# Altium PCB FMC_SDR.PcbDoc (part 1 of 4) (continued)
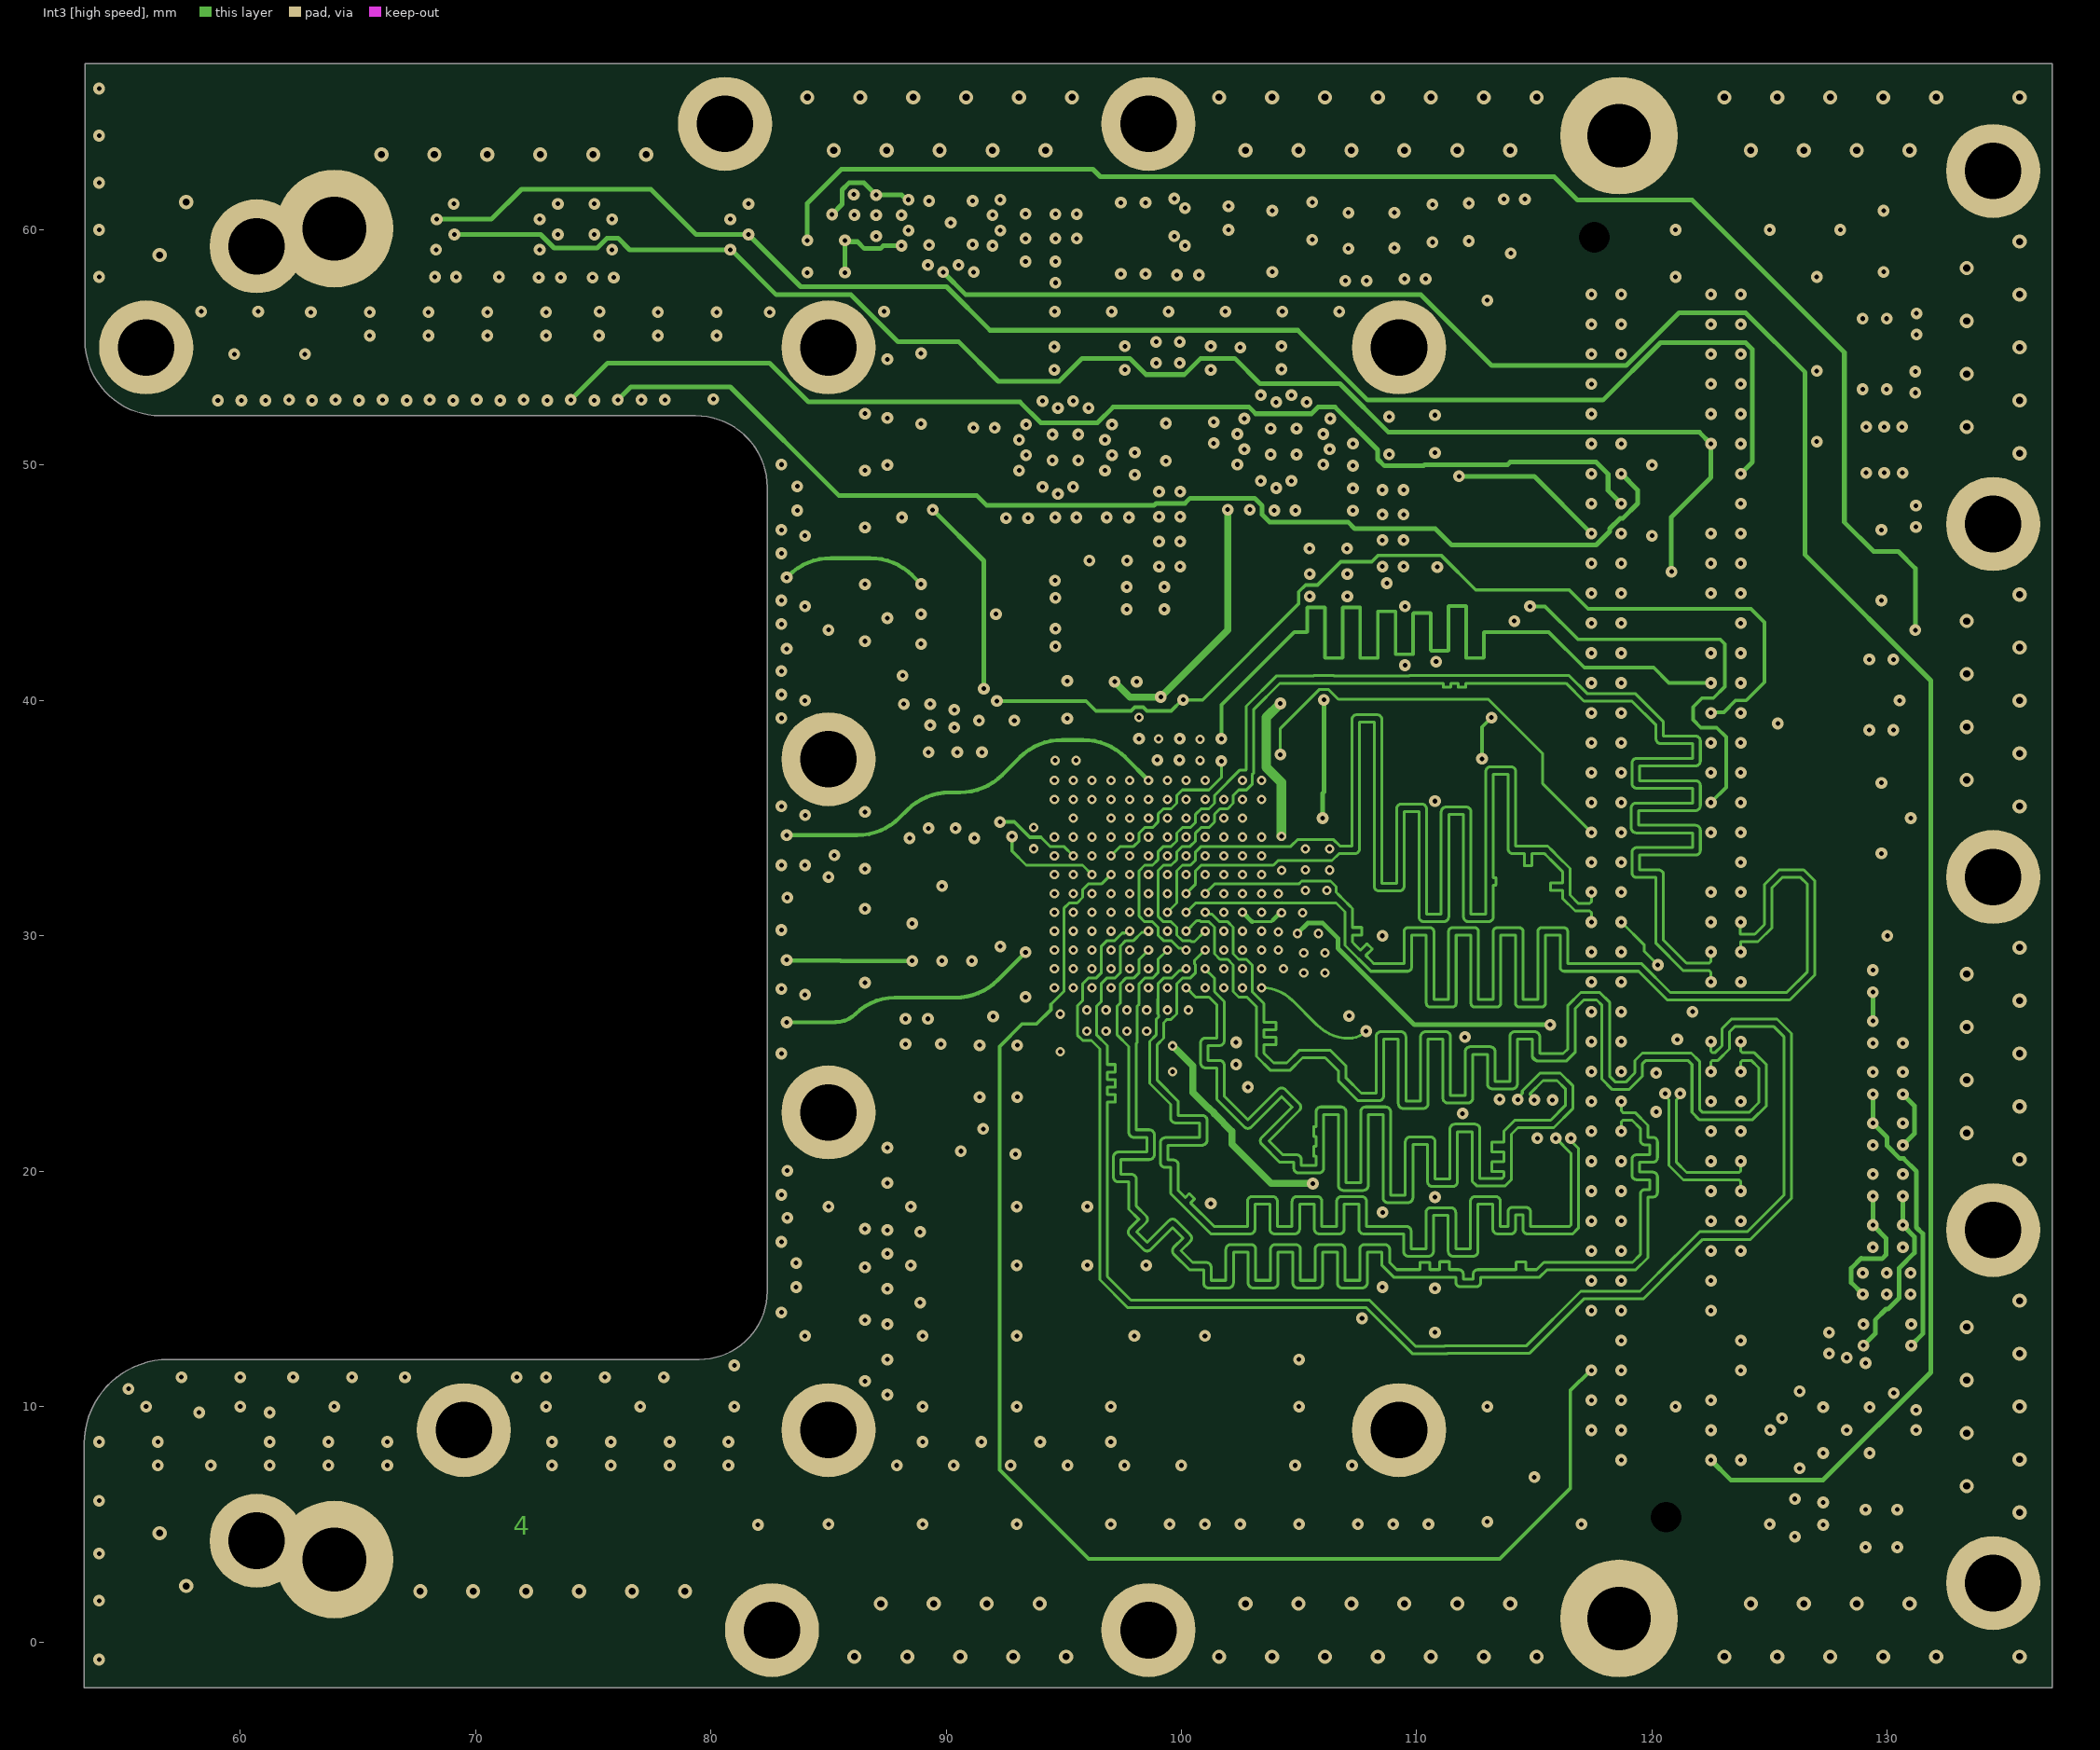
[diagram p4: Int3 [high speed]]
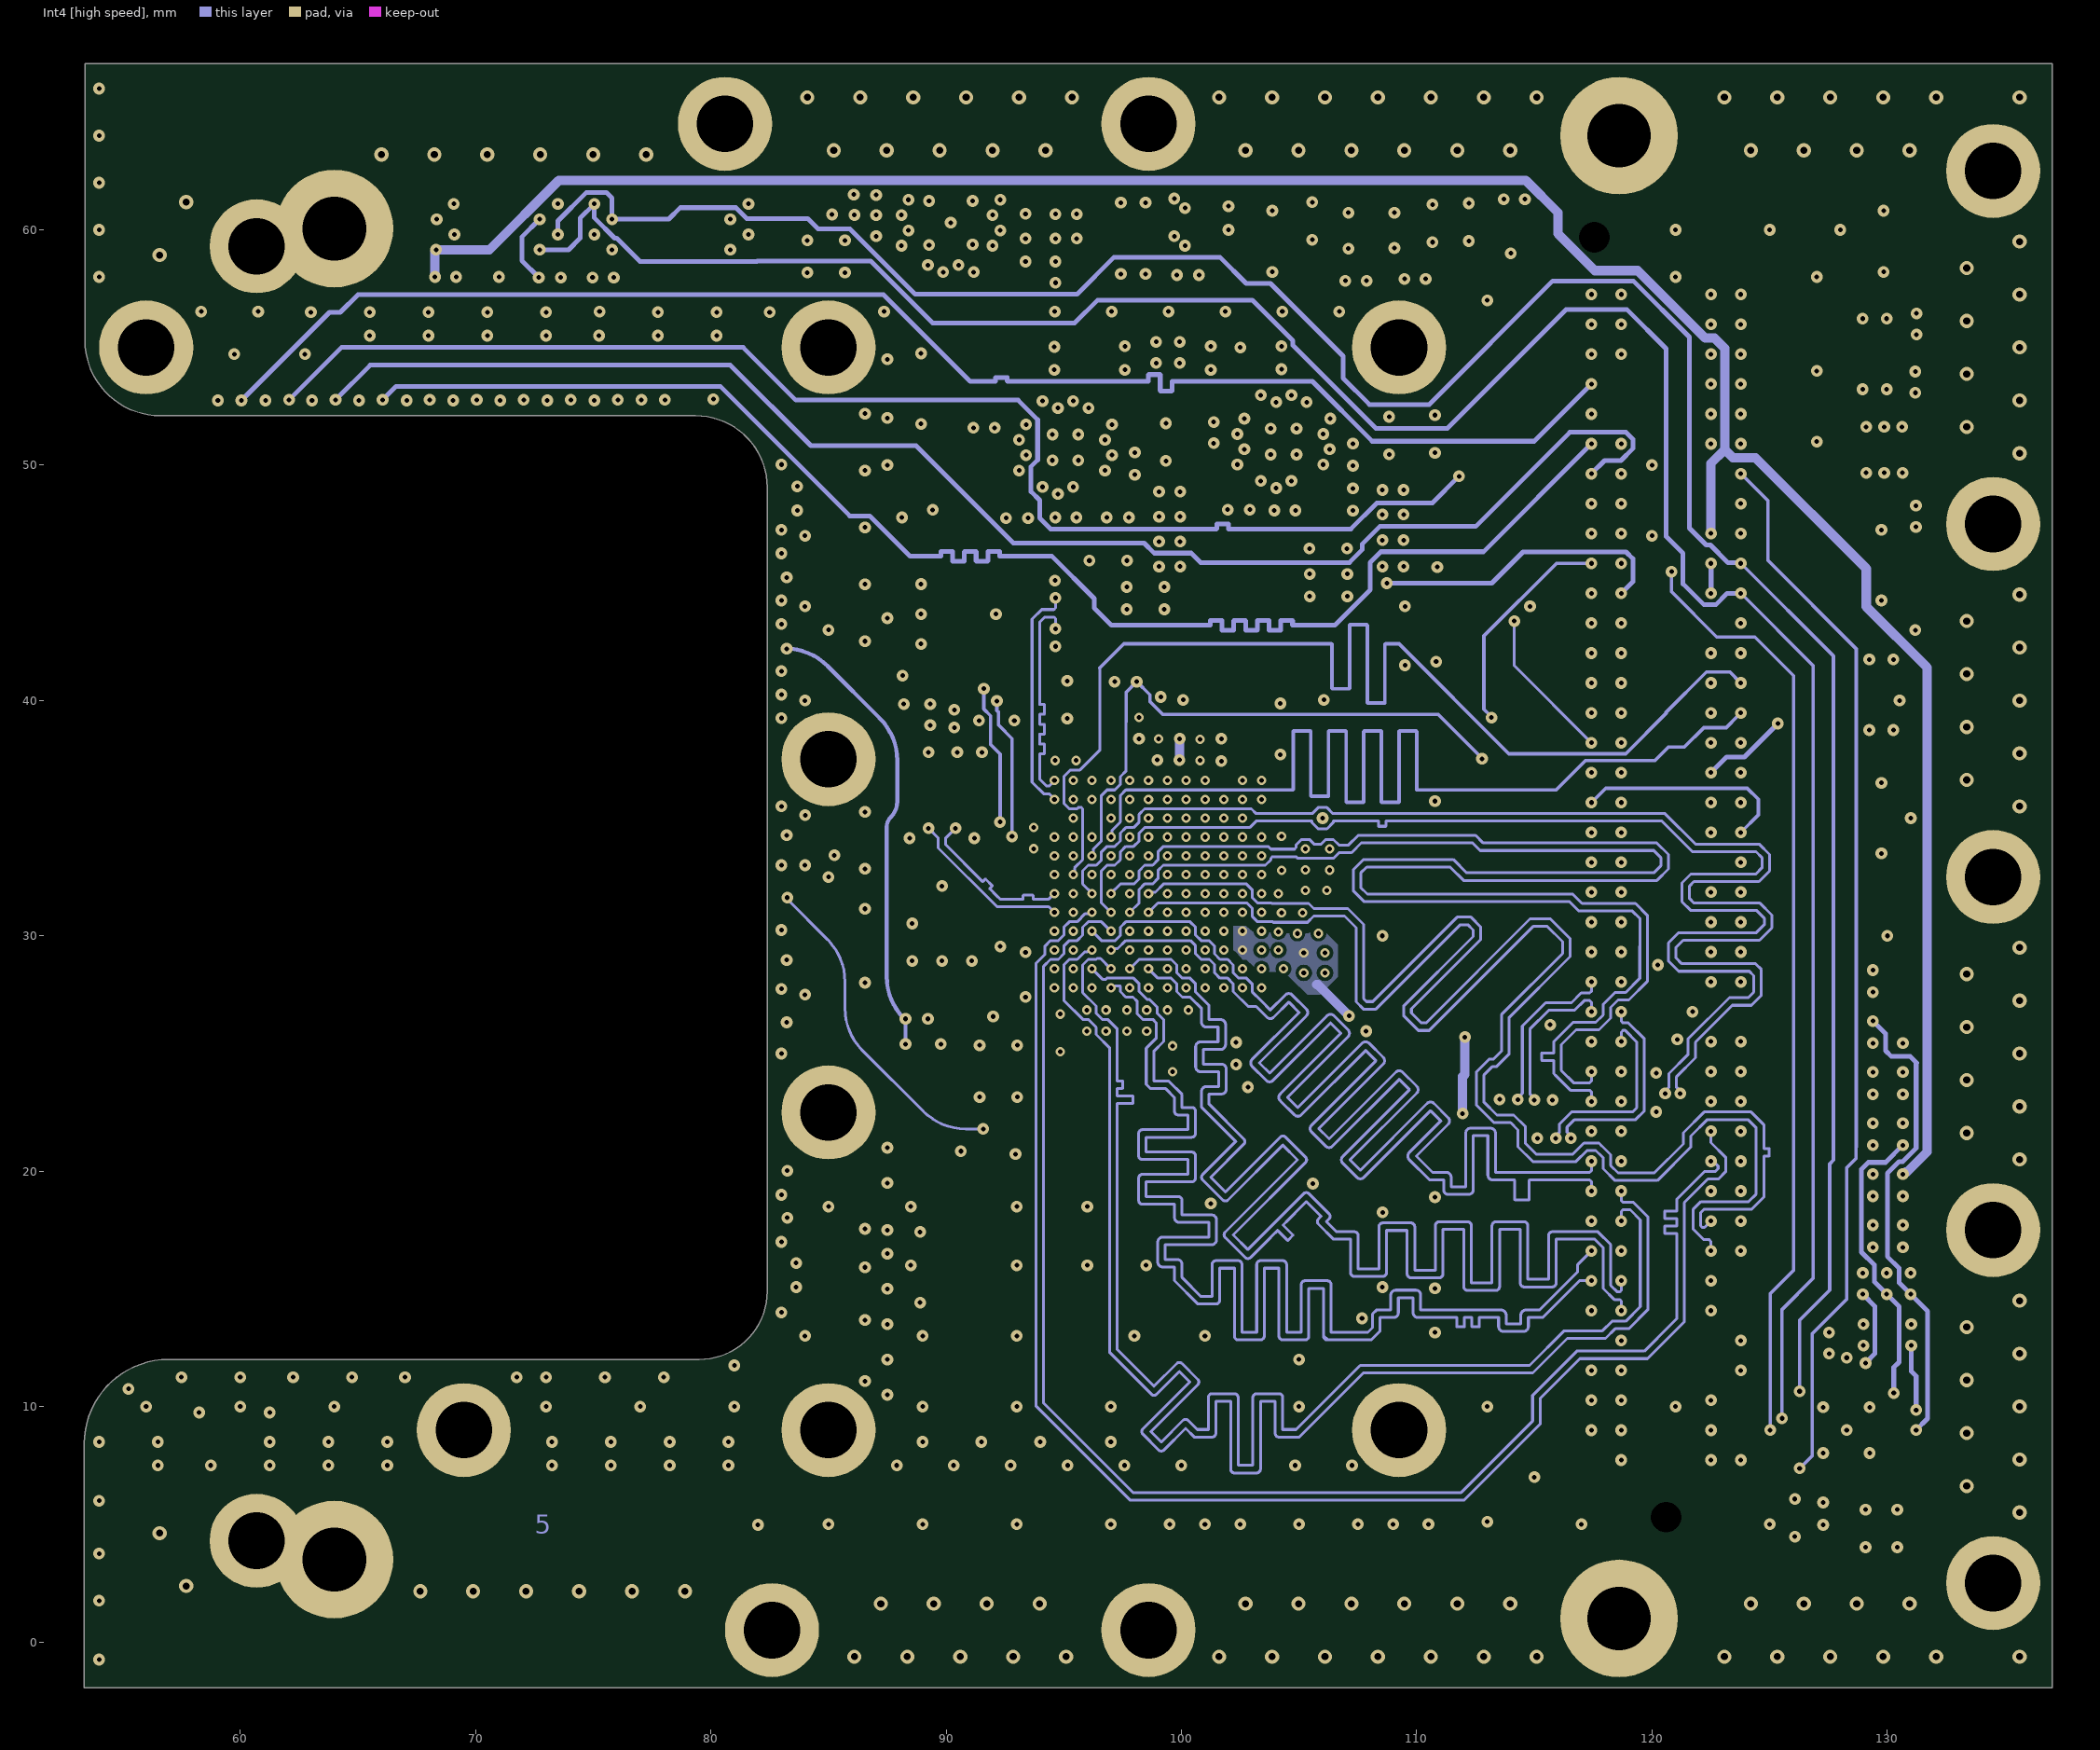
[diagram p5: Int4 [high speed]]
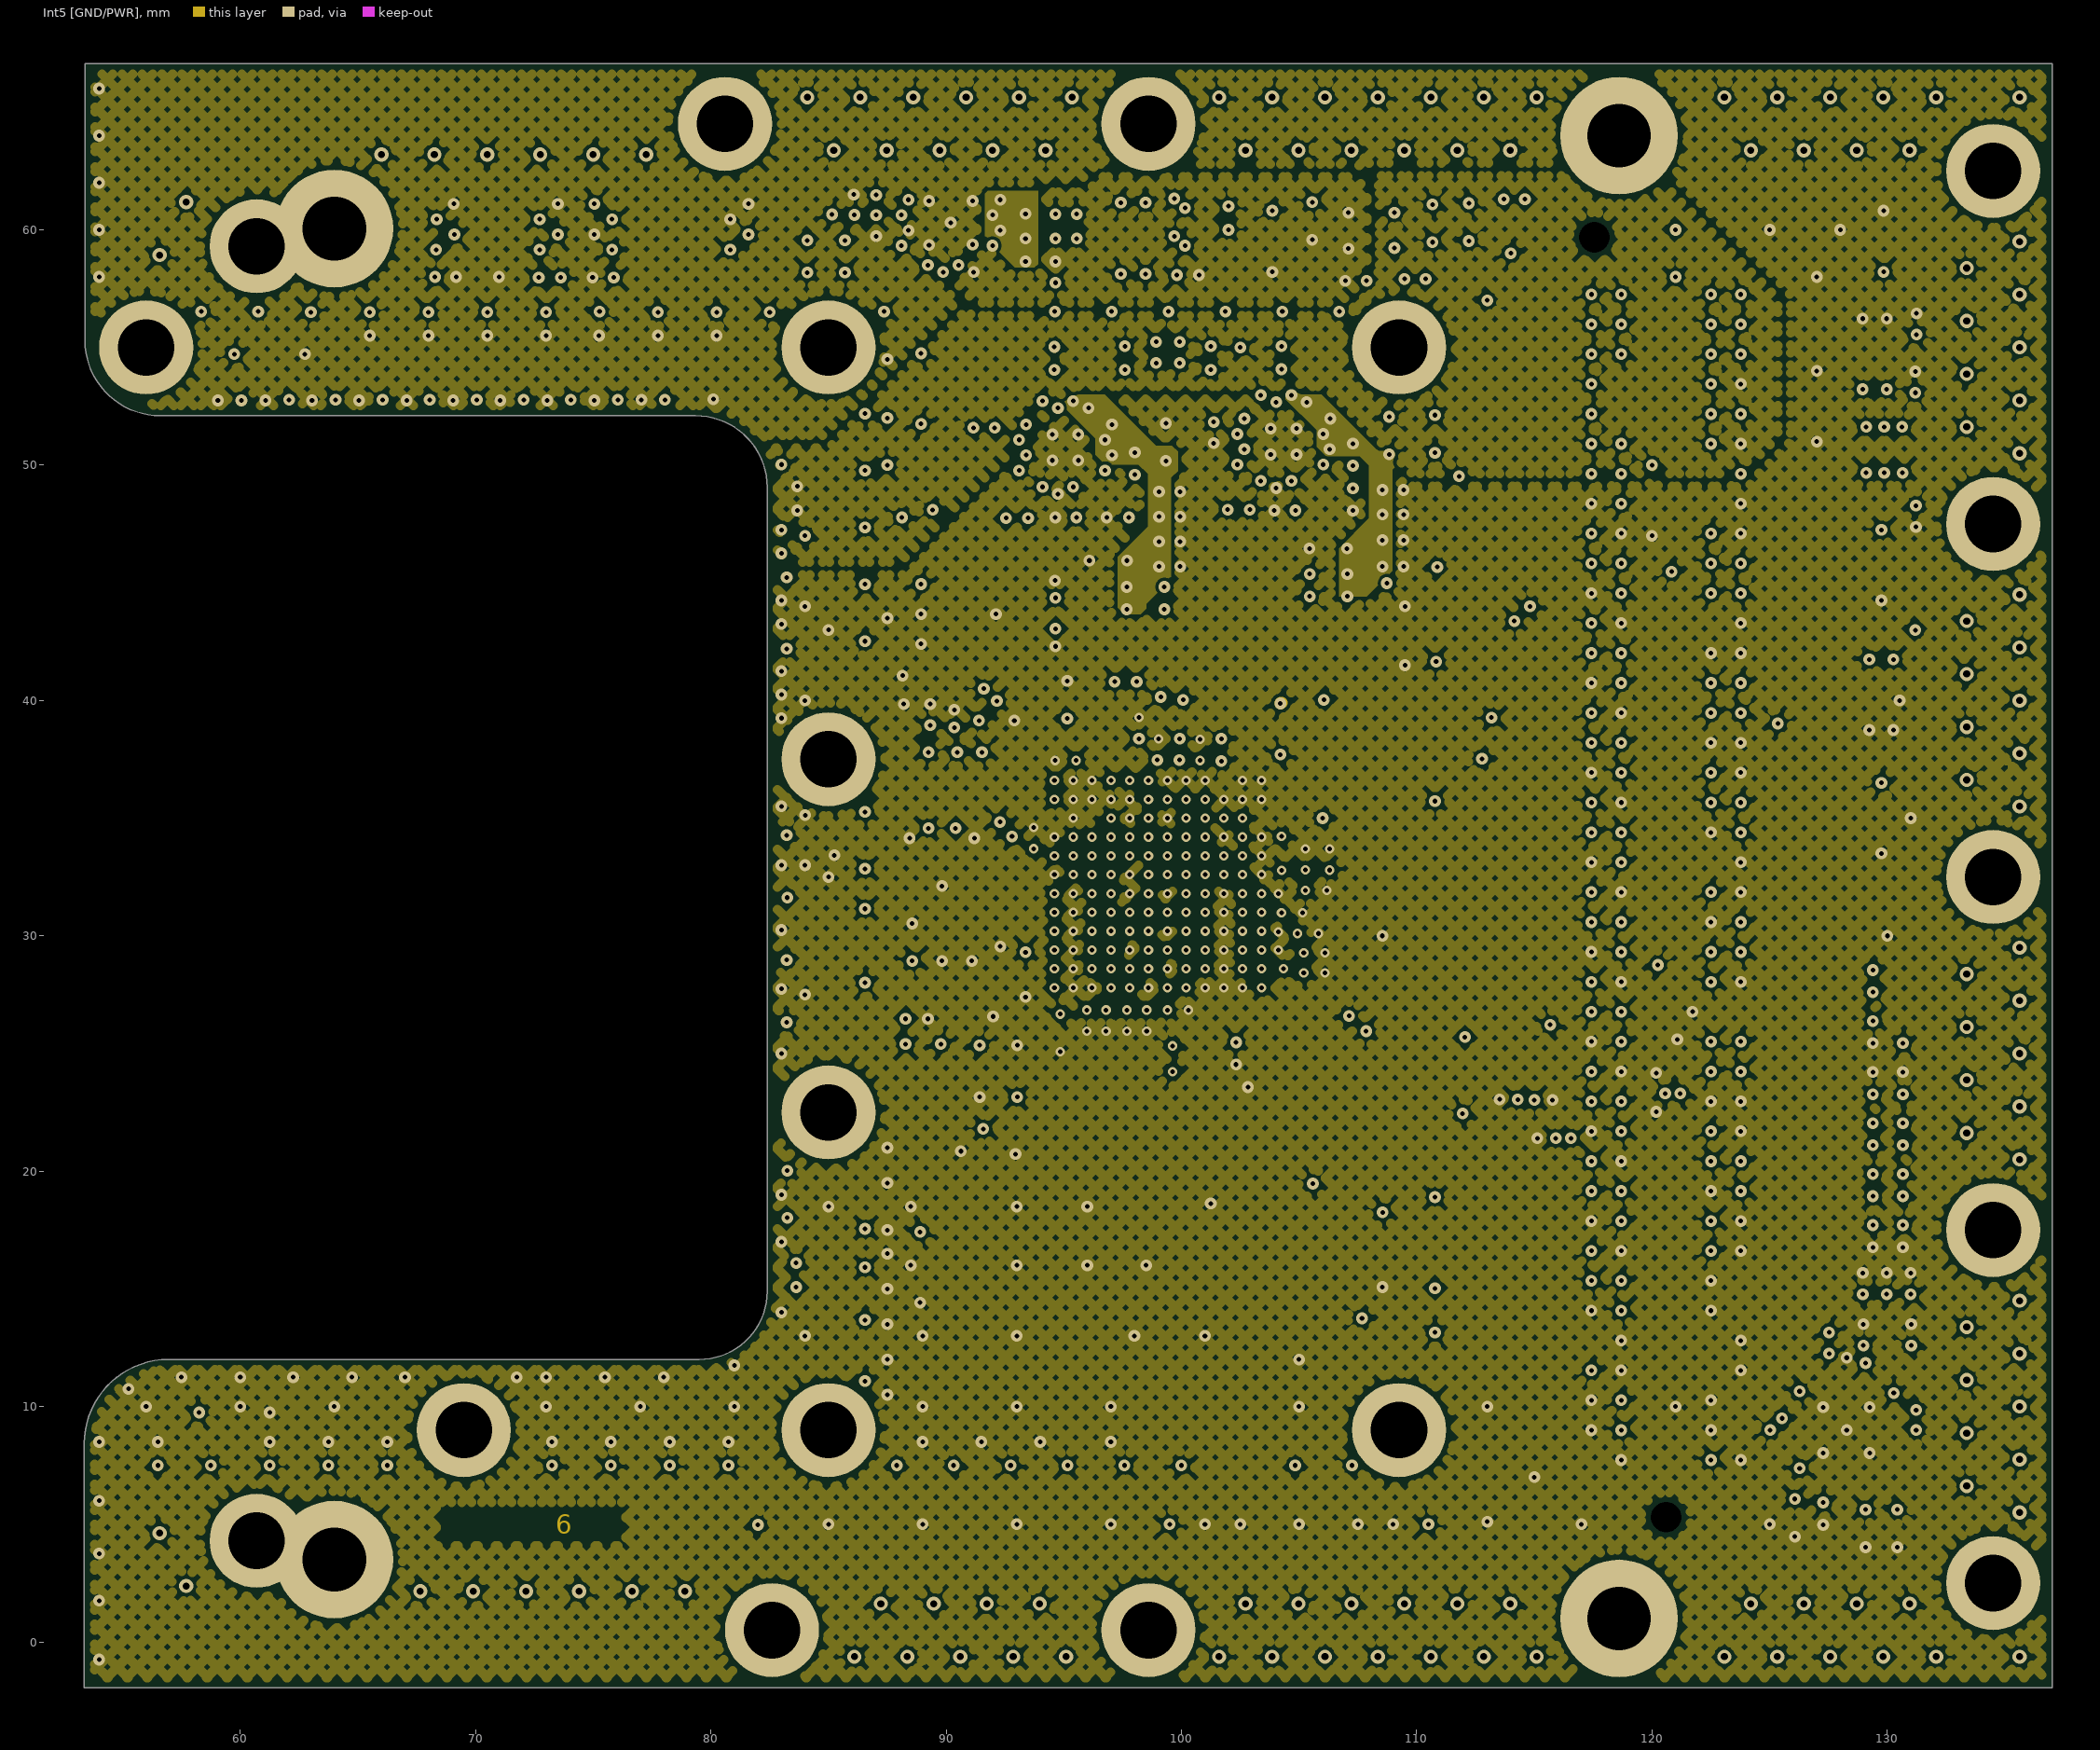
[diagram p6: Int5 [GND/PWR]]